# KiCad board SparkFun_BlueSMiRF-ESP32_panelized.kicad_pcb (continued)
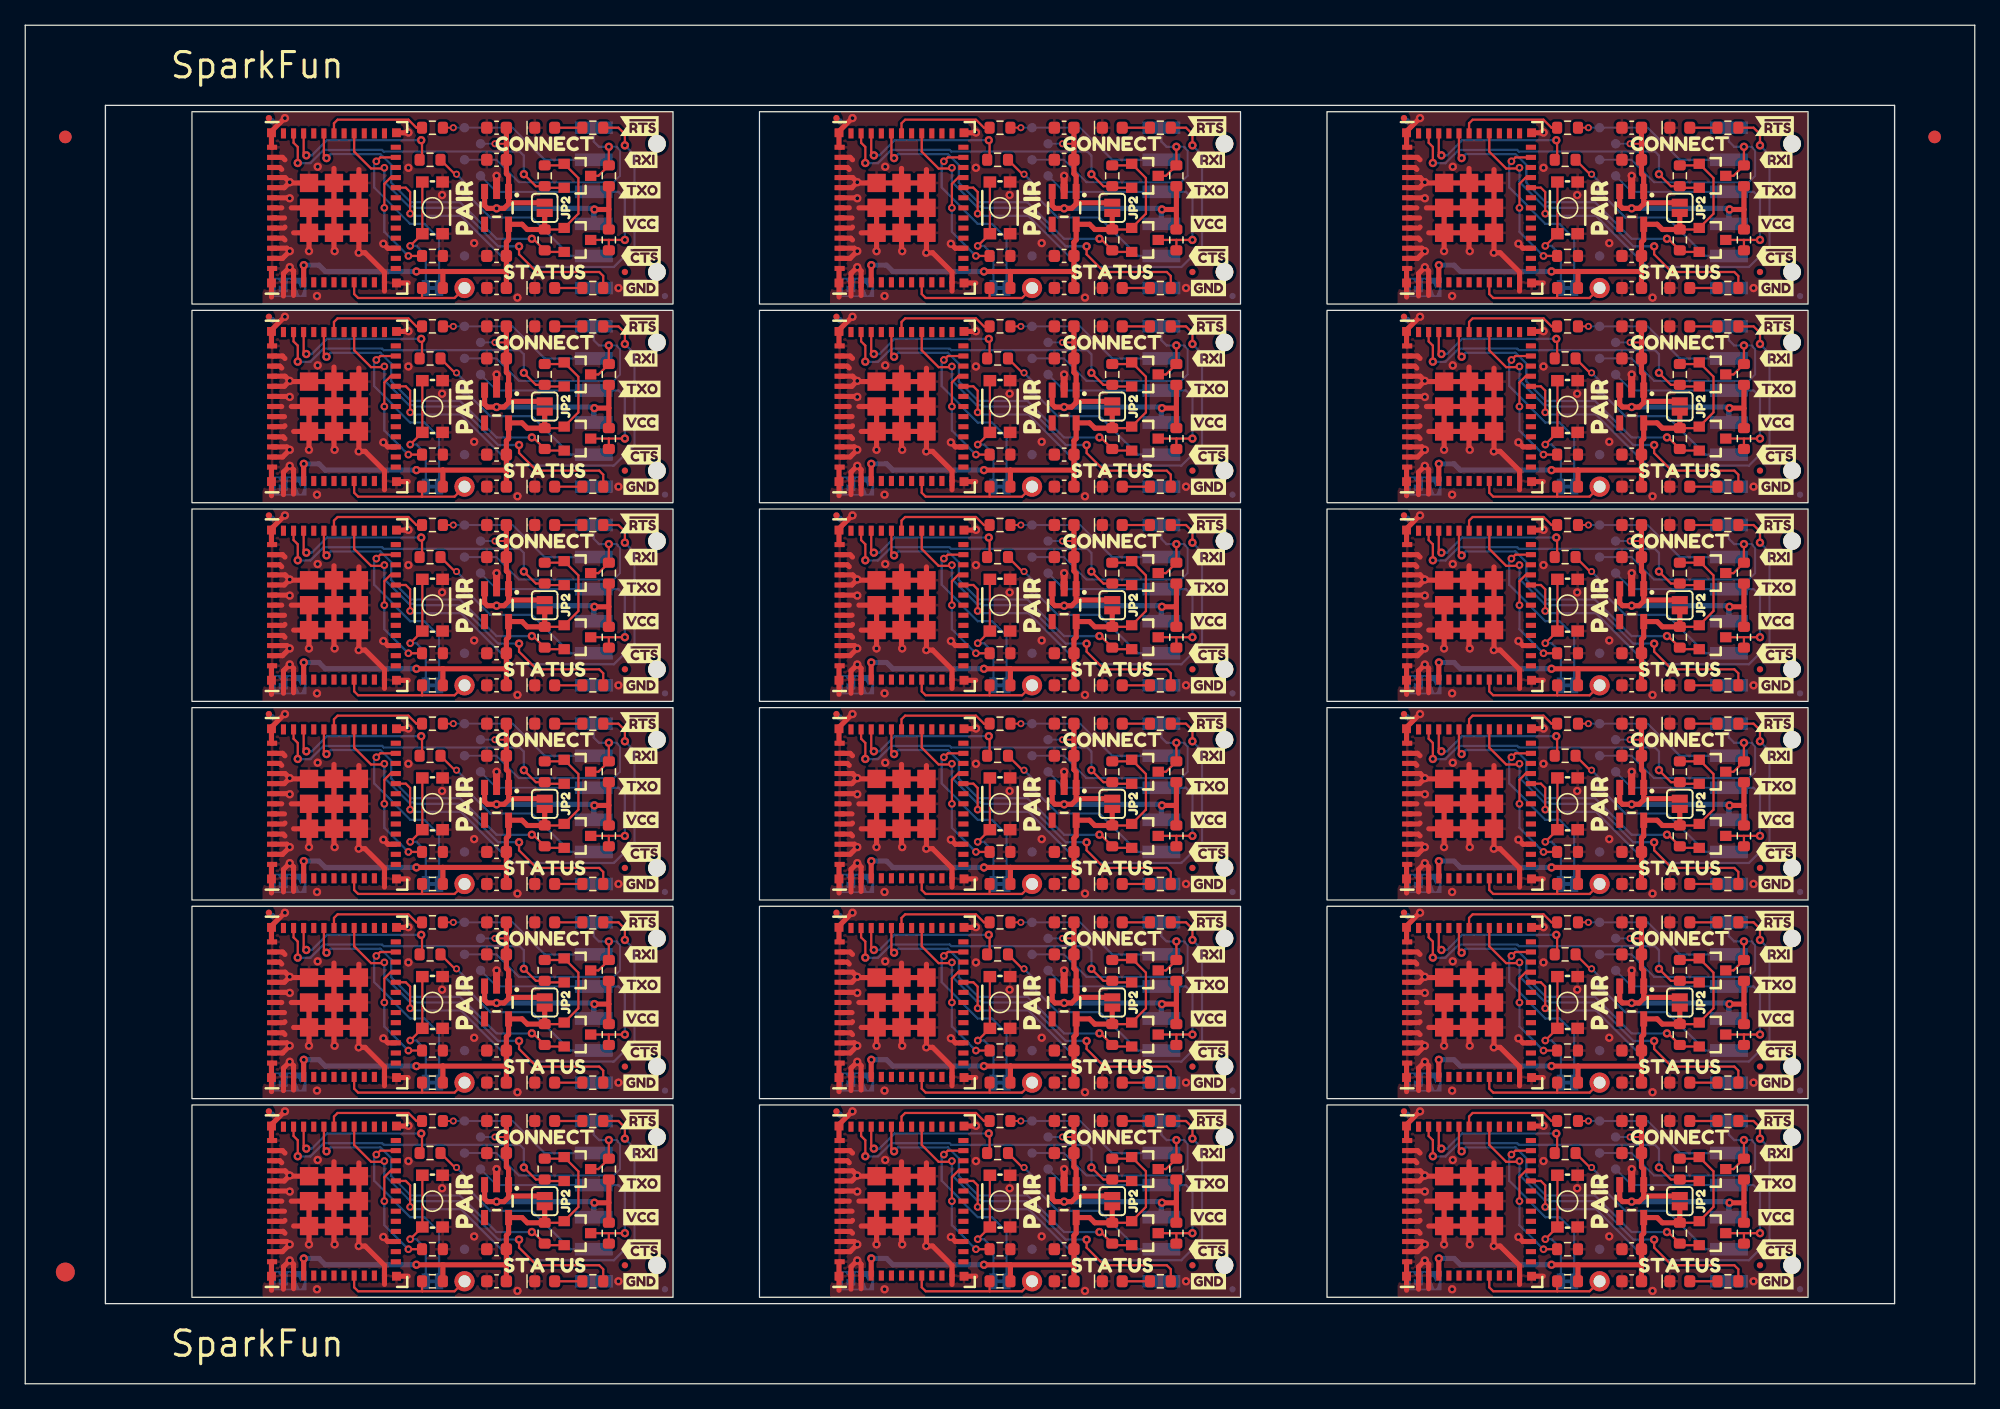
[diagram p0: board, top side]
## Routing (per net, layer and track width the routed paths; a pad name or vN(x,y) marks a point on that pad's centre or on a via; arc(x,y) is an arc through that point) (continued)
  Bottom w0.178: v1(130.02,74.98) 127.22,74.98 124.33,77.87 120.44,77.87 118.89,79.42 118.89,80.83 118.03,81.69 114.08,81.69 v1(113.76,81.37) ; v1(113.76,49.89) 114.08,50.21 118.03,50.21 118.89,49.35 118.89,47.94 120.44,46.39 124.33,46.39 127.22,43.5 v1(130.02,43.5) ; v1(85.07,27.76) 82.27,27.76 79.38,30.65 75.49,30.65 73.94,32.2 73.94,33.61 73.08,34.47 69.13,34.47 v1(68.81,34.15) ; v1(113.76,34.15) 114.08,34.47 118.03,34.47 118.89,33.61 118.89,32.2 120.44,30.65 124.33,30.65 127.22,27.76 v1(130.02,27.76) ; v1(85.07,12.02) 82.27,12.02 79.38,14.91 75.49,14.91 73.94,16.46 73.94,17.87 73.08,18.73 69.13,18.73 v1(68.81,18.41) ; v1(23.86,65.63) 24.18,65.95 28.13,65.95 28.99,65.09 28.99,63.68 30.54,62.13 34.43,62.13 37.32,59.24 v1(40.12,59.24) ; v1(85.07,43.5) 82.27,43.5 79.38,46.39 75.49,46.39 73.94,47.94 73.94,49.35 73.08,50.21 69.13,50.21 v1(68.81,49.89) ; v1(40.12,90.72) 37.32,90.72 34.43,93.61 30.54,93.61 28.99,95.16 28.99,96.57 28.13,97.43 24.18,97.43 v1(23.86,97.11) ; v1(113.76,97.11) 114.08,97.43 118.03,97.43 118.89,96.57 118.89,95.16 120.44,93.61 124.33,93.61 127.22,90.72 v1(130.02,90.72) ; v1(23.86,81.37) 24.18,81.69 28.13,81.69 28.99,80.83 28.99,79.42 30.54,77.87 34.43,77.87 37.32,74.98 v1(40.12,74.98) ; v1(23.86,34.15) 24.18,34.47 28.13,34.47 28.99,33.61 28.99,32.2 30.54,30.65 34.43,30.65 37.32,27.76 v1(40.12,27.76) ; v1(130.02,12.02) 127.22,12.02 124.33,14.91 120.44,14.91 118.89,16.46 118.89,17.87 118.03,18.73 114.08,18.73 v1(113.76,18.41) ; v1(85.07,74.98) 82.27,74.98 79.38,77.87 75.49,77.87 73.94,79.42 73.94,80.83 73.08,81.69 69.13,81.69 v1(68.81,81.37) ; v1(113.76,65.63) 114.08,65.95 118.03,65.95 118.89,65.09 118.89,63.68 120.44,62.13 124.33,62.13 127.22,59.24 v1(130.02,59.24) ; v1(40.12,43.5) 37.32,43.5 34.43,46.39 30.54,46.39 28.99,47.94 28.99,49.35 28.13,50.21 24.18,50.21 v1(23.86,49.89) ; v1(68.81,97.11) 69.13,97.43 73.08,97.43 73.94,96.57 73.94,95.16 75.49,93.61 79.38,93.61 82.27,90.72 v1(85.07,90.72) ; v1(23.86,18.41) 24.18,18.73 28.13,18.73 28.99,17.87 28.99,16.46 30.54,14.91 34.43,14.91 37.32,12.02 v1(40.12,12.02) ; v1(68.81,65.63) 69.13,65.95 73.08,65.95 73.94,65.09 73.94,63.68 75.49,62.13 79.38,62.13 82.27,59.24 v1(85.07,59.24)
~{CTS_HV}: length 283.5
  Top w0.178: R4#4.2 34.03,17.14 v2(34.16,17.14) ; v2(79.1,32.88) 78.98,32.88 77.84,34.02 ; v2(79.1,95.84) 78.98,95.84 77.84,96.98 ; R4#10.2 123.93,17.14 v2(124.06,17.14) ; v2(34.16,95.84) 34.03,95.84 R4#17.2 ; 77.84,49.76 78.98,48.62 v2(79.1,48.62) ; v2(124.06,80.1) 123.93,80.1 R4#9.2 ; v2(124.06,64.36) 123.93,64.36 R4#7.2 ; v2(79.1,80.1) 78.98,80.1 77.84,81.24 ; v2(124.06,95.84) 123.93,95.84 R4#5.2 ; v2(34.16,32.88) 34.03,32.88 R4.2 ; R4#18.2 34.03,64.36 v2(34.16,64.36) ; R4#13.2 34.03,48.62 v2(34.16,48.62) ; v2(124.06,32.88) 123.93,32.88 R4#14.2 ; 77.84,18.28 78.98,17.14 v2(79.1,17.14) ; R4#3.2 34.03,80.1 v2(34.16,80.1) ; v2(124.06,48.62) 123.93,48.62 R4#12.2 ; v2(79.1,64.36) 78.98,64.36 77.84,65.5
  Bottom w0.178: v2(124.06,80.1) 124.69,79.46 TP3#6.1 126.72,76.67 130.02,76.67 133.07,73.62 J1#8.5 ; v2(79.1,32.88) 79.74,32.24 TP3#13.1 81.77,29.45 85.07,29.45 88.12,26.4 J1#2.5 ; J1#16.5 43.17,89.36 40.12,92.41 36.82,92.41 TP3#3.1 34.79,95.2 v2(34.16,95.84) ; v2(124.06,32.88) 124.69,32.24 TP3#5.1 126.72,29.45 130.02,29.45 133.07,26.4 J1#18.5 ; v2(124.06,48.62) 124.69,47.98 TP3#10.1 126.72,45.19 130.02,45.19 133.07,42.14 J1#6.5 ; v2(34.16,17.14) 34.79,16.5 TP3#18.1 36.82,13.71 40.12,13.71 43.17,10.66 J1#5.5 ; J1#14.5 88.12,57.88 85.07,60.93 81.77,60.93 TP3#17.1 79.74,63.72 v2(79.1,64.36) ; v2(124.06,64.36) 124.69,63.72 TP3#15.1 126.72,60.93 130.02,60.93 133.07,57.88 J1#9.5 ; J1#3.5 88.12,73.62 85.07,76.67 81.77,76.67 TP3#4.1 79.74,79.46 v2(79.1,80.1) ; v2(34.16,64.36) 34.79,63.72 TP3#2.1 36.82,60.93 40.12,60.93 43.17,57.88 J1#15.5 ; J1#17.5 88.12,10.66 85.07,13.71 81.77,13.71 TP3#8.1 79.74,16.5 v2(79.1,17.14) ; J1#10.5 88.12,89.36 85.07,92.41 81.77,92.41 TP3#9.1 79.74,95.2 v2(79.1,95.84) ; J1#11.5 88.12,42.14 85.07,45.19 81.77,45.19 TP3.1 79.74,47.98 v2(79.1,48.62) ; v2(124.06,17.14) 124.69,16.5 TP3#11.1 126.72,13.71 130.02,13.71 133.07,10.66 J1.5 ; J1#4.5 43.17,42.14 40.12,45.19 36.82,45.19 TP3#12.1 34.79,47.98 v2(34.16,48.62) ; v2(34.16,80.1) 34.79,79.46 TP3#14.1 36.82,76.67 40.12,76.67 43.17,73.62 J1#13.5 ; J1#7.5 43.17,26.4 40.12,29.45 36.82,29.45 TP3#7.1 34.79,32.24 v2(34.16,32.88) ; v2(124.06,95.84) 124.69,95.2 TP3#16.1 126.72,92.41 130.02,92.41 133.07,89.36 J1#12.5
~{CTS_LV}: length 234
  Top w0.178: 76.38,65.5 76.38,66.99 v1(76.31,67.05) ; v1(31.36,51.31) 31.42,51.25 31.42,49.76 ; 31.42,18.28 31.42,19.77 v1(31.36,19.83) ; U1#13.33 67,81.8 v1(67.21,81.59) ; U1#17.33 111.95,34.58 v1(112.16,34.37) ; U1#14.33 67,66.06 v1(67.21,65.85) ; v1(76.31,82.79) 76.38,82.73 76.38,81.24 ; v1(67.21,18.63) 67,18.84 U1#12.33 ; v1(121.26,19.83) 121.32,19.77 121.32,18.28 ; v1(67.21,97.33) 67,97.54 U1#2.33 ; v1(112.16,81.59) 111.95,81.8 U1#15.33 ; v1(67.21,50.11) 67,50.32 U1.33 ; v1(22.26,97.33) 22.05,97.54 U1#18.33 ; 121.32,65.5 121.32,66.99 v1(121.26,67.05) ; v1(112.16,97.33) 111.95,97.54 U1#7.33 ; v1(121.26,35.57) 121.32,35.51 121.32,34.02 ; U1#5.33 67,34.58 v1(67.21,34.37) ; 76.38,18.28 76.38,19.77 v1(76.31,19.83) ; v1(112.16,50.11) 111.95,50.32 U1#8.33 ; 121.32,96.98 121.32,98.47 v1(121.26,98.53) ; v1(22.26,81.59) 22.05,81.8 U1#9.33 ; 31.42,65.5 31.42,66.99 v1(31.36,67.05) ; v1(31.36,35.57) 31.42,35.51 31.42,34.02 ; v1(112.16,65.85) 111.95,66.06 U1#6.33 ; v1(22.26,18.63) 22.05,18.84 U1#3.33 ; 31.42,81.24 31.42,82.73 v1(31.36,82.79) ; 76.38,49.76 76.38,51.25 v1(76.31,51.31) ; v1(31.36,98.53) 31.42,98.47 31.42,96.98 ; v1(22.26,65.85) 22.05,66.06 U1#11.33 ; 121.32,81.24 121.32,82.73 v1(121.26,82.79) ; v1(112.16,18.63) 111.95,18.84 U1#10.33 ; 76.38,96.98 76.38,98.47 v1(76.31,98.53) ; v1(76.31,35.57) 76.38,35.51 76.38,34.02 ; U1#4.33 22.05,34.58 v1(22.26,34.37) ; 121.32,49.76 121.32,51.25 v1(121.26,51.31) ; v1(22.26,50.11) 22.05,50.32 U1#16.33
  Bottom w0.178: v1(112.16,50.11) 112.6,50.11 113.8,51.31 v1(121.26,51.31) ; v1(31.36,51.31) 23.9,51.31 22.7,50.11 v1(22.26,50.11) ; v1(76.31,98.53) 68.85,98.53 67.65,97.33 v1(67.21,97.33) ; v1(76.31,35.57) 68.85,35.57 67.65,34.37 v1(67.21,34.37) ; v1(22.26,81.59) 22.7,81.59 23.9,82.79 v1(31.36,82.79) ; v1(112.16,34.37) 112.6,34.37 113.8,35.57 v1(121.26,35.57) ; v1(76.31,67.05) 68.85,67.05 67.65,65.85 v1(67.21,65.85) ; v1(67.21,50.11) 67.65,50.11 68.85,51.31 v1(76.31,51.31) ; v1(67.21,81.59) 67.65,81.59 68.85,82.79 v1(76.31,82.79) ; v1(22.26,34.37) 22.7,34.37 23.9,35.57 v1(31.36,35.57) ; v1(31.36,98.53) 23.9,98.53 22.7,97.33 v1(22.26,97.33) ; v1(112.16,81.59) 112.6,81.59 113.8,82.79 v1(121.26,82.79) ; v1(22.26,18.63) 22.7,18.63 23.9,19.83 v1(31.36,19.83) ; v1(112.16,18.63) 112.6,18.63 113.8,19.83 v1(121.26,19.83) ; v1(31.36,67.05) 23.9,67.05 22.7,65.85 v1(22.26,65.85) ; v1(121.26,67.05) 113.8,67.05 112.6,65.85 v1(112.16,65.85) ; v1(67.21,18.63) 67.65,18.63 68.85,19.83 v1(76.31,19.83) ; v1(112.16,97.33) 112.6,97.33 113.8,98.53 v1(121.26,98.53)
~{RTS_HV}: length 396.2
  Top w0.178: v1(91.17,19.31) R10#16.2 90.34,17.01 Q2#15.3 ; Q2#16.3 45.4,64.23 R10#14.2 v1(46.22,66.53) ; Q2#17.3 90.34,79.97 R10#5.2 v1(91.17,82.27) ; v1(91.17,66.53) R10#10.2 90.34,64.23 Q2#10.3 ; Q2#8.3 135.29,64.23 R10#11.2 v1(136.12,66.53) ; v1(136.12,35.05) R10#9.2 135.29,32.75 Q2#11.3 ; Q2#14.3 90.34,32.75 R10#18.2 v1(91.17,35.05) ; Q2#7.3 135.29,95.71 136.12,96.53 v1(136.12,98.01) ; Q2#18.3 45.4,95.71 46.22,96.53 v1(46.22,98.01) ; v1(46.22,82.27) R10#4.2 45.4,79.97 Q2#4.3 ; v1(136.12,82.27) R10#15.2 135.29,79.97 Q2#9.3 ; v1(136.12,50.79) R10#3.2 135.29,48.49 Q2#13.3 ; v1(46.22,50.79) R10#17.2 45.4,48.49 Q2#6.3 ; v1(91.17,50.79) R10#13.2 90.34,48.49 Q2.3 ; v1(91.17,98.01) 91.17,96.53 90.34,95.71 Q2#12.3 ; v1(46.22,35.05) R10#2.2 45.4,32.75 Q2#2.3 ; Q2#3.3 45.4,17.01 R10#7.2 v1(46.22,19.31) ; Q2#5.3 135.29,17.01 R10#12.2 v1(136.12,19.31)
  Bottom w0.152: TP5#9.1 37.32,49.76 39.09,47.98 46.6,47.98 47.11,48.49 47.11,50.49 46.93,50.67 46.93,50.7 46.84,50.79 v1(46.22,50.79) ; v1(136.12,50.79) 136.74,50.79 136.83,50.7 136.83,50.67 137.01,50.49 137.01,48.49 136.5,47.98 128.99,47.98 127.22,49.76 TP5#16.1 ; v1(91.17,19.31) 91.79,19.31 91.88,19.22 91.88,19.19 92.06,19.01 92.06,17.01 91.55,16.5 84.04,16.5 82.27,18.28 TP5#10.1 ; v1(136.12,98.01) 136.74,98.01 136.83,97.92 136.83,97.89 137.01,97.71 137.01,95.71 136.5,95.2 128.99,95.2 127.22,96.98 TP5#11.1 ; TP5#17.1 37.32,34.02 39.09,32.24 46.6,32.24 47.11,32.75 47.11,34.75 46.93,34.93 46.93,34.96 46.84,35.05 v1(46.22,35.05) ; TP5#7.1 82.27,49.76 84.04,47.98 91.55,47.98 92.06,48.49 92.06,50.49 91.88,50.67 91.88,50.7 91.79,50.79 v1(91.17,50.79) ; TP5#8.1 127.22,81.24 128.99,79.46 136.5,79.46 137.01,79.97 137.01,81.97 136.83,82.15 136.83,82.18 136.74,82.27 v1(136.12,82.27) ; v1(46.22,82.27) 46.84,82.27 46.93,82.18 46.93,82.15 47.11,81.97 47.11,79.97 46.6,79.46 39.09,79.46 37.32,81.24 TP5#2.1 ; v1(136.12,35.05) 136.74,35.05 136.83,34.96 136.83,34.93 137.01,34.75 137.01,32.75 136.5,32.24 128.99,32.24 127.22,34.02 TP5#13.1 ; v1(136.12,19.31) 136.74,19.31 136.83,19.22 136.83,19.19 137.01,19.01 137.01,17.01 136.5,16.5 128.99,16.5 127.22,18.28 TP5.1 ; TP5#14.1 82.27,96.98 84.04,95.2 91.55,95.2 92.06,95.71 92.06,97.71 91.88,97.89 91.88,97.92 91.79,98.01 v1(91.17,98.01) ; v1(91.17,82.27) 91.79,82.27 91.88,82.18 91.88,82.15 92.06,81.97 92.06,79.97 91.55,79.46 84.04,79.46 82.27,81.24 TP5#3.1 ; v1(46.22,98.01) 46.84,98.01 46.93,97.92 46.93,97.89 47.11,97.71 47.11,95.71 46.6,95.2 39.09,95.2 37.32,96.98 TP5#18.1 ; v1(46.22,19.31) 46.84,19.31 46.93,19.22 46.93,19.19 47.11,19.01 47.11,17.01 46.6,16.5 39.09,16.5 37.32,18.28 TP5#6.1 ; v1(91.17,35.05) 91.79,35.05 91.88,34.96 91.88,34.93 92.06,34.75 92.06,32.75 91.55,32.24 84.04,32.24 82.27,34.02 TP5#4.1 ; v1(91.17,66.53) 91.79,66.53 91.88,66.44 91.88,66.41 92.06,66.23 92.06,64.23 91.55,63.72 84.04,63.72 82.27,65.5 TP5#12.1 ; TP5#5.1 37.32,65.5 39.09,63.72 46.6,63.72 47.11,64.23 47.11,66.23 46.93,66.41 46.93,66.44 46.84,66.53 v1(46.22,66.53) ; TP5#15.1 127.22,65.5 128.99,63.72 136.5,63.72 137.01,64.23 137.01,66.23 136.83,66.41 136.83,66.44 136.74,66.53 v1(136.12,66.53)
  Bottom w0.178: v1(136.12,82.27) 135.34,82.27 134.93,82.68 J1#8.1 ; J1#12.1 134.93,98.42 135.34,98.01 v1(136.12,98.01) ; v1(46.22,98.01) 45.44,98.01 45.03,98.42 J1#16.1 ; v1(136.12,19.31) 135.34,19.31 134.93,19.72 J1.1 ; J1#18.1 134.93,35.46 135.34,35.05 v1(136.12,35.05) ; v1(46.22,50.79) 45.44,50.79 45.03,51.2 J1#4.1 ; J1#6.1 134.93,51.2 135.34,50.79 v1(136.12,50.79) ; v1(46.22,35.05) 45.44,35.05 45.03,35.46 J1#7.1 ; v1(91.17,50.79) 90.39,50.79 89.98,51.2 J1#11.1 ; J1#14.1 89.98,66.94 90.39,66.53 v1(91.17,66.53) ; v1(91.17,35.05) 90.39,35.05 89.98,35.46 J1#2.1 ; J1#9.1 134.93,66.94 135.34,66.53 v1(136.12,66.53) ; v1(46.22,66.53) 45.44,66.53 45.03,66.94 J1#15.1 ; v1(91.17,19.31) 90.39,19.31 89.98,19.72 J1#17.1 ; v1(91.17,82.27) 90.39,82.27 89.98,82.68 J1#3.1 ; v1(46.22,19.31) 45.44,19.31 45.03,19.72 J1#5.1 ; J1#10.1 89.98,98.42 90.39,98.01 v1(91.17,98.01) ; v1(46.22,82.27) 45.44,82.27 45.03,82.68 J1#13.1
~{RTS_LV}: length 470.3
  Top w0.178: v1(84.44,17.14) 85.39,16.19 R8#6.2 86.22,16.06 Q2#15.2 ; v1(66.53,33.77) 66.53,35.04 66.2,35.37 U1#5.34 ; v1(39.49,64.36) 40.44,63.41 R8#14.2 41.26,63.28 Q2#16.2 ; v1(66.53,49.51) 66.53,50.78 66.2,51.11 U1.34 ; U1#6.34 111.15,66.85 111.48,66.52 v1(111.48,65.25) ; Q2#5.2 131.16,16.06 R8#13.2 130.34,16.19 v1(129.39,17.14) ; Q2#6.2 41.26,47.54 R8#9.2 40.44,47.67 v1(39.49,48.62) ; Q2#3.2 41.26,16.06 R8#2.2 40.44,16.19 v1(39.49,17.14) ; v1(129.39,32.88) 130.34,31.93 131.04,31.93 131.16,31.8 Q2#11.2 ; U1#2.34 66.2,98.33 66.53,98 v1(66.53,96.73) ; v1(84.44,64.36) 85.39,63.41 R8#10.2 86.22,63.28 Q2#10.2 ; Q2#2.2 41.26,31.8 41.14,31.93 40.44,31.93 v1(39.49,32.88) ; v1(129.39,48.62) 130.34,47.67 R8#12.2 131.16,47.54 Q2#13.2 ; U1#3.34 21.25,19.63 21.58,19.3 v1(21.58,18.03) ; U1#15.34 111.15,82.59 111.48,82.26 v1(111.48,80.99) ; v1(21.58,80.99) 21.58,82.26 21.25,82.59 U1#9.34 ; v1(21.58,49.51) 21.58,50.78 21.25,51.11 U1#16.34 ; Q2#4.2 41.26,79.02 41.14,79.15 40.44,79.15 v1(39.49,80.1) ; v1(129.39,95.84) 130.34,94.89 R8#16.2 131.16,94.76 Q2#7.2 ; v1(84.44,95.84) 85.39,94.89 R8#15.2 86.22,94.76 Q2#12.2 ; v1(84.44,48.62) 85.39,47.67 R8#5.2 86.22,47.54 Q2.2 ; U1#12.34 66.2,19.63 66.53,19.3 v1(66.53,18.03) ; v1(111.48,49.51) 111.48,50.78 111.15,51.11 U1#8.34 ; v1(129.39,64.36) 130.34,63.41 R8#8.2 131.16,63.28 Q2#8.2 ; v1(39.49,95.84) 40.44,94.89 R8#17.2 41.26,94.76 Q2#18.2 ; U1#7.34 111.15,98.33 111.48,98 v1(111.48,96.73) ; U1#4.34 21.25,35.37 21.58,35.04 v1(21.58,33.77) ; v1(84.44,80.1) 85.39,79.15 86.09,79.15 86.22,79.02 Q2#17.2 ; U1#10.34 111.15,19.63 111.48,19.3 v1(111.48,18.03) ; U1#18.34 21.25,98.33 21.58,98 v1(21.58,96.73) ; v1(111.48,33.77) 111.48,35.04 111.15,35.37 U1#17.34 ; U1#13.34 66.2,82.59 66.53,82.26 v1(66.53,80.99) ; v1(84.44,32.88) 85.39,31.93 86.09,31.93 86.22,31.8 Q2#14.2 ; Q2#9.2 131.16,79.02 131.04,79.15 130.34,79.15 v1(129.39,80.1) ; v1(21.58,65.25) 21.58,66.52 21.25,66.85 U1#11.34 ; v1(66.53,65.25) 66.53,66.52 66.2,66.85 U1#14.34
  Bottom w0.178: v1(39.49,17.14) 39.49,18.61 39.17,18.93 28.39,18.93 28.26,19.06 23.63,19.06 22.58,18.01 21.6,18.01 v1(21.58,18.03) ; v1(66.53,80.99) 66.55,80.97 67.53,80.97 68.58,82.02 73.21,82.02 73.34,81.89 84.12,81.89 84.44,81.57 v1(84.44,80.1) ; v1(129.39,64.36) 129.39,65.83 129.07,66.15 118.29,66.15 118.16,66.28 113.53,66.28 112.48,65.23 111.5,65.23 v1(111.48,65.25) ; v1(66.53,65.25) 66.55,65.23 67.53,65.23 68.58,66.28 73.21,66.28 73.34,66.15 84.12,66.15 84.44,65.83 v1(84.44,64.36) ; v1(39.49,32.88) 39.49,34.35 39.17,34.67 28.39,34.67 28.26,34.8 23.63,34.8 22.58,33.75 21.6,33.75 v1(21.58,33.77) ; v1(129.39,17.14) 129.39,18.61 129.07,18.93 118.29,18.93 118.16,19.06 113.53,19.06 112.48,18.01 111.5,18.01 v1(111.48,18.03) ; v1(129.39,32.88) 129.39,34.35 129.07,34.67 118.29,34.67 118.16,34.8 113.53,34.8 112.48,33.75 111.5,33.75 v1(111.48,33.77) ; v1(84.44,48.62) 84.44,50.09 84.12,50.41 73.34,50.41 73.21,50.54 68.58,50.54 67.53,49.49 66.55,49.49 v1(66.53,49.51) ; v1(129.39,95.84) 129.39,97.31 129.07,97.63 118.29,97.63 118.16,97.76 113.53,97.76 112.48,96.71 111.5,96.71 v1(111.48,96.73) ; v1(111.48,49.51) 111.5,49.49 112.48,49.49 113.53,50.54 118.16,50.54 118.29,50.41 129.07,50.41 129.39,50.09 v1(129.39,48.62) ; v1(39.49,48.62) 39.49,50.09 39.17,50.41 28.39,50.41 28.26,50.54 23.63,50.54 22.58,49.49 21.6,49.49 v1(21.58,49.51) ; v1(84.44,17.14) 84.44,18.61 84.12,18.93 73.34,18.93 73.21,19.06 68.58,19.06 67.53,18.01 66.55,18.01 v1(66.53,18.03) ; v1(66.53,96.73) 66.55,96.71 67.53,96.71 68.58,97.76 73.21,97.76 73.34,97.63 84.12,97.63 84.44,97.31 v1(84.44,95.84) ; v1(21.58,65.25) 21.6,65.23 22.58,65.23 23.63,66.28 28.26,66.28 28.39,66.15 39.17,66.15 39.49,65.83 v1(39.49,64.36) ; v1(39.49,80.1) 39.49,81.57 39.17,81.89 28.39,81.89 28.26,82.02 23.63,82.02 22.58,80.97 21.6,80.97 v1(21.58,80.99) ; v1(21.58,96.73) 21.6,96.71 22.58,96.71 23.63,97.76 28.26,97.76 28.39,97.63 39.17,97.63 39.49,97.31 v1(39.49,95.84) ; v1(84.44,32.88) 84.44,34.35 84.12,34.67 73.34,34.67 73.21,34.8 68.58,34.8 67.53,33.75 66.55,33.75 v1(66.53,33.77) ; v1(129.39,80.1) 129.39,81.57 129.07,81.89 118.29,81.89 118.16,82.02 113.53,82.02 112.48,80.97 111.5,80.97 v1(111.48,80.99)
Net-(D1-A): length 39.6
  Top w0.178: D1#3.2 R5#10.2 ; D1#11.2 R5#11.2 ; D1#18.2 R5#15.2 ; D1#6.2 R5#3.2 ; D1#8.2 R5#4.2 ; D1#9.2 R5#5.2 ; D1#7.2 R5.2 ; D1#2.2 R5#13.2 ; D1#4.2 R5#7.2 ; D1#15.2 R5#6.2 ; D1#5.2 R5#8.2 ; D1.2 R5#14.2 ; D1#16.2 R5#17.2 ; D1#14.2 R5#18.2 ; D1#13.2 R5#2.2 ; D1#10.2 R5#16.2 ; D1#12.2 R5#12.2 ; D1#17.2 R5#9.2
Net-(D2-A): length 39.6
  Top w0.178: R6#11.2 D2#6.2 ; R6#13.2 D2#8.2 ; R6.2 D2#13.2 ; R6#7.2 D2#5.2 ; R6#17.2 D2#4.2 ; R6#2.2 D2#16.2 ; R6#9.2 D2#12.2 ; R6#6.2 D2#7.2 ; R6#18.2 D2#10.2 ; R6#12.2 D2#9.2 ; R6#3.2 D2#14.2 ; R6#4.2 D2#2.2 ; R6#14.2 D2.2 ; R6#8.2 D2#11.2 ; R6#10.2 D2#15.2 ; R6#5.2 D2#3.2 ; R6#16.2 D2#17.2 ; R6#15.2 D2#18.2
Net-(JP1-A): length 172.9
  Top w0.178: SW1#2.1 SW1#2.1 v3(30.49,11.46) ; v3(75.44,42.94) SW1#7.1 SW1#7.1 ; v3(30.49,42.94) SW1#14.1 SW1#14.1 ; SW1#4.1 SW1#4.1 v3(75.44,11.46) ; v3(120.39,74.42) SW1#6.1 SW1#6.1 ; SW1#12.1 SW1#12.1 v3(120.39,90.16) ; SW1#8.1 SW1#8.1 v3(30.49,74.42) ; SW1#11.1 SW1#11.1 v3(75.44,90.16) ; v3(120.39,42.94) SW1#15.1 SW1#15.1 ; v3(75.44,27.2) SW1#3.1 SW1#3.1 ; v3(120.39,27.2) SW1#10.1 SW1#10.1 ; v3(120.39,58.68) SW1#13.1 SW1#13.1 ; SW1.1 SW1.1 v3(30.49,90.16) ; v3(30.49,58.68) SW1#16.1 SW1#16.1 ; SW1#5.1 SW1#5.1 v3(75.44,74.42) ; v3(30.49,27.2) SW1#17.1 SW1#17.1 ; v3(120.39,11.46) SW1#9.1 SW1#9.1 ; SW1#18.1 SW1#18.1 v3(75.44,58.68)
  Bottom w0.178: v3(75.44,74.42) 75.93,74.42 76.68,73.67 JP1#4.1 ; v3(30.49,58.68) 30.98,58.68 31.73,57.93 JP1#13.1 ; JP1#5.1 76.68,26.45 75.93,27.2 v3(75.44,27.2) ; JP1#8.1 121.63,89.41 120.88,90.16 v3(120.39,90.16) ; v3(120.39,74.42) 120.88,74.42 121.63,73.67 JP1#17.1 ; JP1#15.1 76.68,42.19 75.93,42.94 v3(75.44,42.94) ; v3(30.49,90.16) 30.98,90.16 31.73,89.41 JP1#12.1 ; JP1#3.1 31.73,73.67 30.98,74.42 v3(30.49,74.42) ; JP1.1 121.63,42.19 120.88,42.94 v3(120.39,42.94) ; JP1#10.1 31.73,42.19 30.98,42.94 v3(30.49,42.94) ; v3(30.49,11.46) 30.98,11.46 31.73,10.71 JP1#18.1 ; v3(75.44,11.46) 75.93,11.46 76.68,10.71 JP1#14.1 ; v3(30.49,27.2) 30.98,27.2 31.73,26.45 JP1#11.1 ; JP1#6.1 121.63,26.45 120.88,27.2 v3(120.39,27.2) ; JP1#9.1 121.63,10.71 120.88,11.46 v3(120.39,11.46) ; v3(75.44,58.68) 75.93,58.68 76.68,57.93 JP1#16.1 ; v3(75.44,90.16) 75.93,90.16 76.68,89.41 JP1#2.1 ; JP1#7.1 121.63,57.93 120.88,58.68 v3(120.39,58.68)
Net-(U1-EN): length 196.6
  Top w0.178: 31.44,86.03 26.36,86.03 26.05,86.34 U1#18.8 ; 31.44,86.03 31.42,86.05 31.42,86.82 ; 31.44,86.03 34,86.03 TP1#15.1 ; TP1#18.1 78.95,7.33 76.39,7.33 ; 31.42,39.6 31.42,38.83 31.44,38.81 ; 121.34,23.07 123.9,23.07 TP1#8.1 ; 121.34,23.07 116.26,23.07 115.95,23.38 U1#17.8 ; 121.34,23.07 121.32,23.09 121.32,23.86 ; R1#12.2 76.38,70.31 76.39,70.29 ; R1#17.2 76.38,86.05 76.39,86.03 ; 121.34,54.55 116.26,54.55 115.95,54.86 U1#6.8 ; 121.34,54.55 123.9,54.55 TP1#10.1 ; 121.34,54.55 121.32,54.57 121.32,55.34 ; 31.44,23.07 31.42,23.09 31.42,23.86 ; 31.44,23.07 26.36,23.07 26.05,23.38 U1#4.8 ; 31.44,23.07 34,23.07 TP1#5.1 ; U1#16.8 26.05,39.12 26.36,38.81 31.44,38.81 ; 121.34,70.29 123.9,70.29 TP1#13.1 ; 121.34,70.29 116.26,70.29 115.95,70.6 U1#15.8 ; 121.34,70.29 121.32,70.31 121.32,71.08 ; 76.39,54.55 71.31,54.55 71,54.86 U1#14.8 ; 76.39,54.55 76.38,54.57 R1#6.2 ; 76.39,54.55 78.95,54.55 TP1#14.1 ; U1#9.8 26.05,70.6 26.36,70.29 31.44,70.29 ; TP1#7.1 78.95,70.29 76.39,70.29 ; 121.34,86.03 116.26,86.03 115.95,86.34 U1#7.8 ; 121.34,86.03 123.9,86.03 TP1#11.1 ; 121.34,86.03 121.32,86.05 121.32,86.82 ; U1#3.8 26.05,7.64 26.36,7.33 31.44,7.33 ; 76.39,38.81 76.38,38.83 R1#15.2 ; 76.39,38.81 71.31,38.81 71,39.12 U1.8 ; 76.39,38.81 78.95,38.81 TP1#17.1 ; 76.39,70.29 71.31,70.29 71,70.6 U1#13.8 ; 31.44,54.55 31.42,54.57 31.42,55.34 ; 31.44,54.55 34,54.55 TP1#4.1 ; 31.44,54.55 26.36,54.55 26.05,54.86 U1#11.8 ; U1#12.8 71,7.64 71.31,7.33 76.39,7.33 ; 31.44,38.81 34,38.81 TP1#3.1 ; 121.34,7.33 123.9,7.33 TP1#9.1 ; 121.34,7.33 116.26,7.33 115.95,7.64 U1#10.8 ; 121.34,7.33 121.32,7.35 121.32,8.12 ; TP1#16.1 123.9,38.81 121.34,38.81 ; 31.42,8.12 31.42,7.35 31.44,7.33 ; 121.34,38.81 116.26,38.81 115.95,39.12 U1#8.8 ; 121.34,38.81 121.32,38.83 121.32,39.6 ; 76.39,23.07 71.31,23.07 71,23.38 U1#5.8 ; 76.39,23.07 76.38,23.09 R1#9.2 ; 76.39,23.07 78.95,23.07 TP1#6.1 ; 31.44,7.33 34,7.33 TP1.1 ; 31.42,71.08 31.42,70.31 31.44,70.29 ; 76.39,7.33 76.38,7.35 R1#3.2 ; TP1#2.1 78.95,86.03 76.39,86.03 ; 76.39,86.03 71.31,86.03 71,86.34 U1#2.8 ; 31.44,70.29 34,70.29 TP1#12.1
Net-(U1-IOA15): length 156.7
  Top w0.178: R2#17.1 v3(75.29,57.88) ; 121.32,73.62 v3(120.25,73.62) ; 31.42,10.66 v3(30.34,10.66) ; U1.21 73.88,48.35 73.39,47.86 v3(73.39,45.95) ; v3(28.44,93.17) 28.44,95.08 28.94,95.57 U1#18.21 ; U1#13.21 73.88,79.83 73.39,79.34 v3(73.39,77.43) ; U1#11.21 28.94,64.09 28.44,63.6 v3(28.44,61.69) ; U1#16.21 28.94,48.35 28.44,47.86 v3(28.44,45.95) ; U1#12.21 73.88,16.87 73.39,16.38 v3(73.39,14.47) ; v3(118.34,14.47) 118.34,16.38 118.84,16.87 U1#10.21 ; 31.42,57.88 v3(30.34,57.88) ; v3(28.44,30.21) 28.44,32.12 28.94,32.61 U1#4.21 ; U1#6.21 118.84,64.09 118.34,63.6 v3(118.34,61.69) ; U1#3.21 28.94,16.87 28.44,16.38 v3(28.44,14.47) ; 31.42,73.62 v3(30.34,73.62) ; 121.32,89.36 v3(120.25,89.36) ; v3(118.34,30.21) 118.34,32.12 118.84,32.61 U1#17.21 ; R2#16.1 v3(75.29,10.66) ; v3(73.39,61.69) 73.39,63.6 73.88,64.09 U1#14.21 ; 31.42,89.36 v3(30.34,89.36) ; v3(73.39,30.21) 73.39,32.12 73.88,32.61 U1#5.21 ; 121.32,57.88 v3(120.25,57.88) ; U1#8.21 118.84,48.35 118.34,47.86 v3(118.34,45.95) ; U1#7.21 118.84,95.57 118.34,95.08 v3(118.34,93.17) ; R2#11.1 v3(75.29,42.14) ; v3(118.34,77.43) 118.34,79.34 118.84,79.83 U1#15.21 ; 121.32,10.66 v3(120.25,10.66) ; 121.32,42.14 v3(120.25,42.14) ; U1#2.21 73.88,95.57 73.39,95.08 v3(73.39,93.17) ; 31.42,42.14 v3(30.34,42.14) ; U1#9.21 28.94,79.83 28.44,79.34 v3(28.44,77.43) ; R2#4.1 v3(75.29,89.36) ; 31.42,26.4 v3(30.34,26.4) ; 121.32,26.4 v3(120.25,26.4) ; R2#5.1 v3(75.29,26.4) ; R2#3.1 v3(75.29,73.62)
  Bottom w0.178: v3(30.34,26.4) 30.09,26.65 30.09,26.65 29.77,26.97 29.77,26.98 28.44,28.31 v3(28.44,30.21) ; v3(120.25,10.66) 119.99,10.91 119.99,10.91 119.67,11.23 119.67,11.24 118.34,12.57 v3(118.34,14.47) ; v3(28.44,77.43) 28.44,75.53 29.77,74.2 29.77,74.19 30.09,73.87 30.09,73.87 v3(30.34,73.62) ; v3(118.34,30.21) 118.34,28.31 119.67,26.98 119.67,26.97 119.99,26.65 119.99,26.65 v3(120.25,26.4) ; v3(28.44,93.17) 28.44,91.27 29.77,89.94 29.77,89.93 30.09,89.61 30.09,89.61 v3(30.34,89.36) ; v3(75.29,73.62) 75.04,73.87 75.04,73.87 74.72,74.19 74.72,74.2 73.39,75.53 v3(73.39,77.43) ; v3(30.34,42.14) 30.09,42.39 30.09,42.39 29.77,42.71 29.77,42.72 28.44,44.05 v3(28.44,45.95) ; v3(30.34,10.66) 30.09,10.91 30.09,10.91 29.77,11.23 29.77,11.24 28.44,12.57 v3(28.44,14.47) ; v3(30.34,57.88) 30.09,58.13 30.09,58.13 29.77,58.45 29.77,58.46 28.44,59.79 v3(28.44,61.69) ; v3(120.25,89.36) 119.99,89.61 119.99,89.61 119.67,89.93 119.67,89.94 118.34,91.27 v3(118.34,93.17) ; v3(120.25,42.14) 119.99,42.39 119.99,42.39 119.67,42.71 119.67,42.72 118.34,44.05 v3(118.34,45.95) ; v3(75.29,26.4) 75.04,26.65 75.04,26.65 74.72,26.97 74.72,26.98 73.39,28.31 v3(73.39,30.21) ; v3(73.39,61.69) 73.39,59.79 74.72,58.46 74.72,58.45 75.04,58.13 75.04,58.13 v3(75.29,57.88) ; v3(120.25,73.62) 119.99,73.87 119.99,73.87 119.67,74.19 119.67,74.2 118.34,75.53 v3(118.34,77.43) ; v3(75.29,89.36) 75.04,89.61 75.04,89.61 74.72,89.93 74.72,89.94 73.39,91.27 v3(73.39,93.17) ; v3(118.34,61.69) 118.34,59.79 119.67,58.46 119.67,58.45 119.99,58.13 119.99,58.13 v3(120.25,57.88) ; v3(75.29,42.14) 75.04,42.39 75.04,42.39 74.72,42.71 74.72,42.72 73.39,44.05 v3(73.39,45.95) ; v3(73.39,14.47) 73.39,12.57 74.72,11.24 74.72,11.23 75.04,10.91 75.04,10.91 v3(75.29,10.66)

## Copper pours and planes (outline as drawn; the poured copper is in the pictures)
GND on Top, Bottom: 18.79,22.59 18.79,37.83 51.3,37.83 51.3,22.59
GND on Top, Bottom: 18.79,38.33 18.79,53.57 51.3,53.57 51.3,38.33
GND on Top, Bottom: 63.74,38.33 63.74,53.57 96.25,53.57 96.25,38.33
GND on Top, Bottom: 18.79,85.55 18.79,100.79 51.3,100.79 51.3,85.55
GND on Top, Bottom: 18.79,69.81 18.79,85.05 51.3,85.05 51.3,69.81
GND on Top, Bottom: 18.79,6.85 18.79,22.09 51.3,22.09 51.3,6.85
GND on Top, Bottom: 63.74,85.55 63.74,100.79 96.25,100.79 96.25,85.55
GND on Top, Bottom: 63.74,22.59 63.74,37.83 96.25,37.83 96.25,22.59
GND on Top, Bottom: 63.74,54.07 63.74,69.31 96.25,69.31 96.25,54.07
GND on Top, Bottom: 18.79,54.07 18.79,69.31 51.3,69.31 51.3,54.07
GND on Top, Bottom: 63.74,6.85 63.74,22.09 96.25,22.09 96.25,6.85
GND on Top, Bottom: 108.69,85.55 108.69,100.79 141.2,100.79 141.2,85.55
GND on Top, Bottom: 63.74,69.81 63.74,85.05 96.25,85.05 96.25,69.81
GND on Top, Bottom: 108.69,38.33 108.69,53.57 141.2,53.57 141.2,38.33
GND on Top, Bottom: 108.69,22.59 108.69,37.83 141.2,37.83 141.2,22.59
